# Altium PCB STB_LightBoard.PcbDoc (part 12 of 31) (continued)
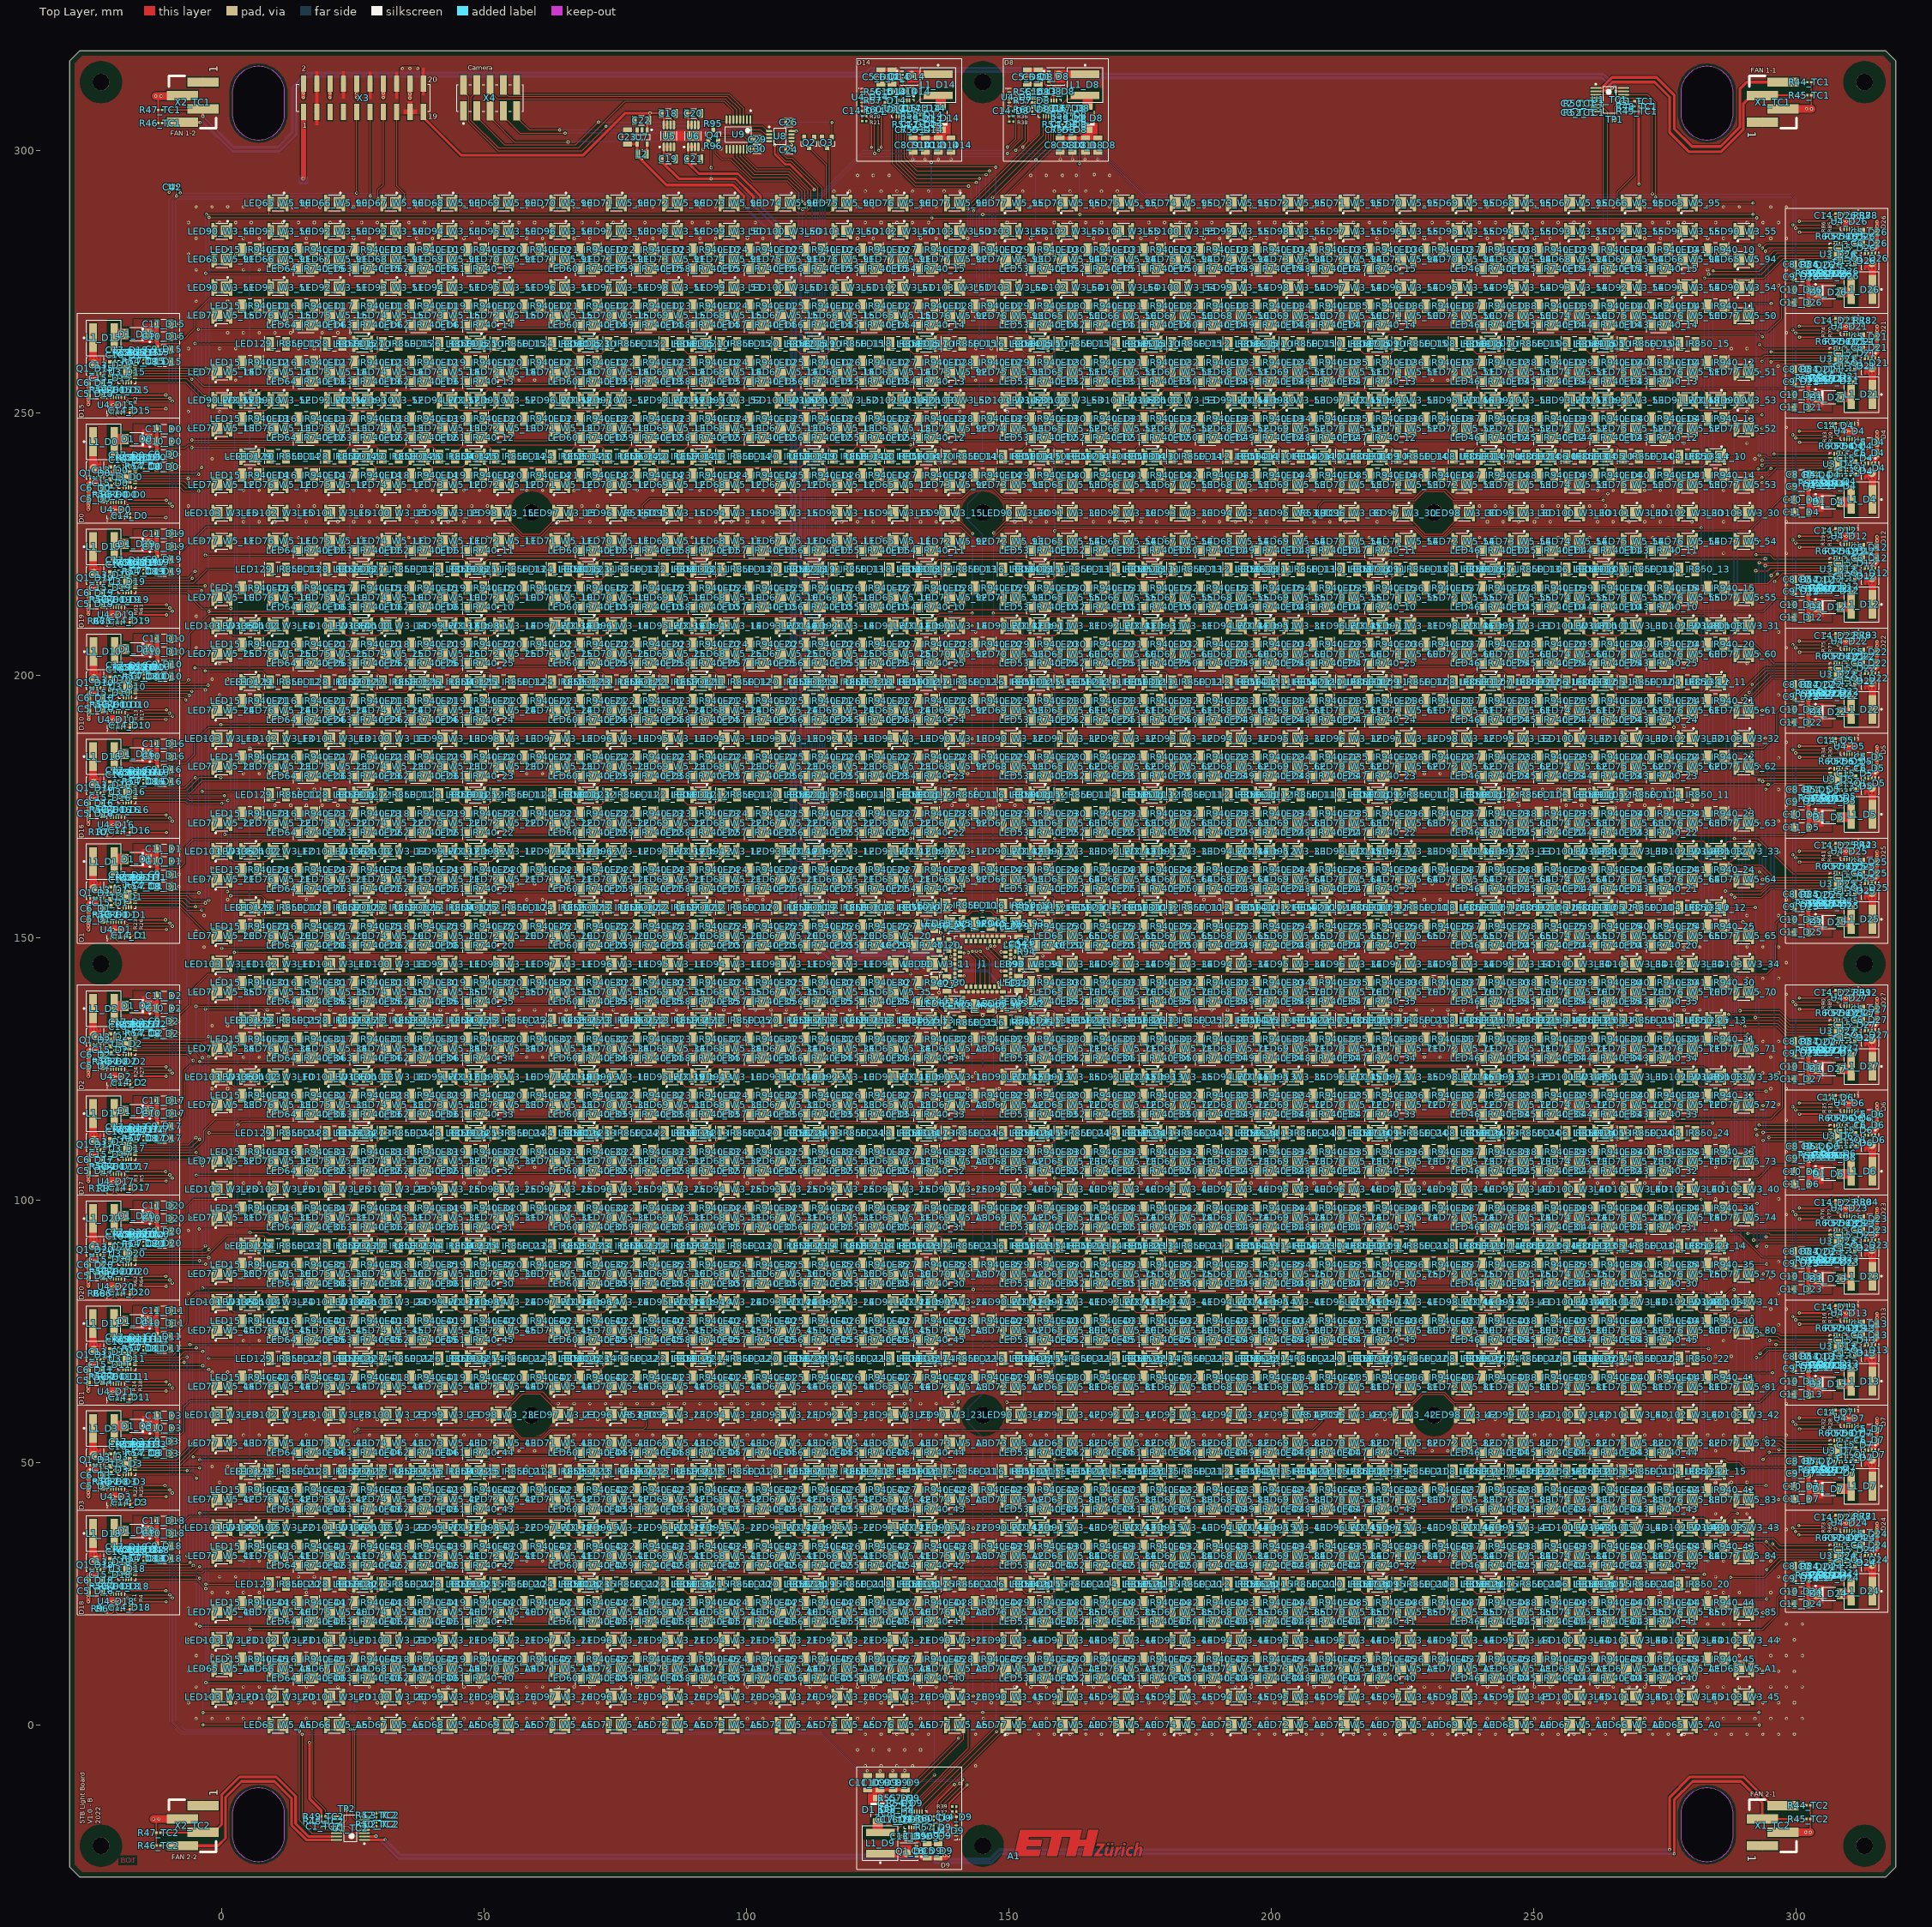
[diagram p0: Top Layer view]
## Part data (continued)
LED78_g_10 LED78_g_11 LED78_g_12 LED78_g_13 LED78_g_14 LED78_g_15 LED79_g_10 LED79_g_11 LED79_g_12 LED79_g_13 LED79_g_14 LED79_g_15 LED80_g_10 LED80_g_11 LED80_g_12 LED80_g_13 LED80_g_14 LED80_g_15 LED81_g_10 LED81_g_11 LED81_g_12 LED81_g_13 LED81_g_14 LED81_g_15 LED82_g_10 LED82_g_11 LED82_g_12 LED82_g_13 LED82_g_14 LED82_g_15 LED83_g_10 LED83_g_11 LED83_g_12 LED83_g_13 LED83_g_14 LED83_g_15 LED84_g_10 LED84_g_11 LED84_g_12 LED84_g_13 LED84_g_14 LED84_g_15 LED85_g_10 LED85_g_11 LED85_g_12 LED85_g_13 LED85_g_14 LED85_g_15 LED86_g_10 LED86_g_11 LED86_g_12 LED86_g_13 LED86_g_14 LED86_g_15 LED87_g_10 LED87_g_11 LED87_g_12 LED87_g_13 LED87_g_14 LED87_g_15 LED88_g_10 LED88_g_11 LED88_g_12 LED88_g_13 LED88_g_14 LED88_g_15 LED89_g_10 LED89_g_11 LED89_g_12 LED89_g_13 LED89_g_14 LED89_g_15: library part CMP-02061-1, "SMD LED Green 3,5 V, 33 lm 3030 (1212)", Color=Green, Manufacturer=Nichia, Intensity="33 lm", Manufacturer Part Number=NE2G757GT, Optoelectronic Device Type="SINGLE COLOR LED", REACH SVHC="No SVHC", RoHS Compliant=Yes, Vf="3.5 V"
LED90_W3_10 LED90_W3_11 LED90_W3_12 LED90_W3_13 LED90_W3_14 LED90_W3_15 LED90_W3_20 LED90_W3_21 LED90_W3_22 LED90_W3_23 LED90_W3_24 LED90_W3_25 LED90_W3_30 LED90_W3_31 LED90_W3_32 LED90_W3_33 LED90_W3_34 LED90_W3_35 LED90_W3_40 LED90_W3_41 LED90_W3_42 LED90_W3_43 LED90_W3_44 LED90_W3_45 LED90_W3_50 LED90_W3_51 LED90_W3_52 LED90_W3_53 LED90_W3_54 LED90_W3_55 LED91_W3_10 LED91_W3_11 LED91_W3_12 LED91_W3_13 LED91_W3_14 LED91_W3_15 LED91_W3_20 LED91_W3_21 LED91_W3_22 LED91_W3_23 LED91_W3_24 LED91_W3_25 LED91_W3_30 LED91_W3_31 LED91_W3_32 LED91_W3_33 LED91_W3_34 LED91_W3_35 LED91_W3_40 LED91_W3_41 LED91_W3_42 LED91_W3_43 LED91_W3_44 LED91_W3_45 LED91_W3_50 LED91_W3_51 LED91_W3_52 LED91_W3_53 LED91_W3_54 LED91_W3_55 LED92_W3_10 LED92_W3_11 LED92_W3_12 LED92_W3_13 LED92_W3_14 LED92_W3_15 LED92_W3_20 LED92_W3_21 LED92_W3_22 LED92_W3_23 LED92_W3_24 LED92_W3_25 LED92_W3_30 LED92_W3_31 LED92_W3_32 LED92_W3_33 LED92_W3_34 LED92_W3_35 LED92_W3_40 LED92_W3_41 LED92_W3_42 LED92_W3_43 LED92_W3_44 LED92_W3_45 LED92_W3_50 LED92_W3_51 LED92_W3_52 LED92_W3_53 LED92_W3_54 LED92_W3_55 LED93_W3_10 LED93_W3_11 LED93_W3_12 LED93_W3_13 LED93_W3_14 LED93_W3_15 LED93_W3_20 LED93_W3_21 LED93_W3_22 LED93_W3_23 LED93_W3_24 LED93_W3_25 LED93_W3_30 LED93_W3_31 LED93_W3_32 LED93_W3_33 LED93_W3_34 LED93_W3_35 LED93_W3_40 LED93_W3_41 LED93_W3_42 LED93_W3_43 LED93_W3_44 LED93_W3_45 LED93_W3_50 LED93_W3_51 LED93_W3_52 LED93_W3_53 LED93_W3_54 LED93_W3_55 LED94_W3_10 LED94_W3_11 LED94_W3_12 LED94_W3_13 LED94_W3_14 LED94_W3_15 LED94_W3_20 LED94_W3_21 LED94_W3_22 LED94_W3_23 LED94_W3_24 LED94_W3_25 LED94_W3_30 LED94_W3_31 LED94_W3_32 LED94_W3_33 LED94_W3_34 LED94_W3_35 LED94_W3_40 LED94_W3_41 LED94_W3_42 LED94_W3_43 LED94_W3_44 LED94_W3_45 LED94_W3_50 LED94_W3_51 LED94_W3_52 LED94_W3_53 LED94_W3_54 LED94_W3_55 LED95_W3_10 LED95_W3_11 LED95_W3_12 LED95_W3_13 LED95_W3_14 LED95_W3_15 LED95_W3_20 LED95_W3_21 LED95_W3_22 LED95_W3_23 LED95_W3_24 LED95_W3_25 LED95_W3_30 LED95_W3_31 LED95_W3_32 LED95_W3_33 LED95_W3_34 LED95_W3_35 LED95_W3_40 LED95_W3_41 LED95_W3_42 LED95_W3_43 LED95_W3_44 LED95_W3_45 LED95_W3_50 LED95_W3_51 LED95_W3_52 LED95_W3_53 LED95_W3_54 LED95_W3_55 LED96_W3_10 LED96_W3_11 LED96_W3_12 LED96_W3_13 LED96_W3_14 LED96_W3_15 LED96_W3_20 LED96_W3_21 LED96_W3_22 LED96_W3_23 LED96_W3_24 LED96_W3_25 LED96_W3_30 LED96_W3_31 LED96_W3_32 LED96_W3_33 LED96_W3_34 LED96_W3_35 LED96_W3_40 LED96_W3_41 LED96_W3_42 LED96_W3_43 LED96_W3_44 LED96_W3_45 LED96_W3_50 LED96_W3_51 LED96_W3_52 LED96_W3_53 LED96_W3_54 LED96_W3_55 LED97_W3_10 LED97_W3_11 LED97_W3_12 LED97_W3_13 LED97_W3_14 LED97_W3_15 LED97_W3_20 LED97_W3_21 LED97_W3_22 LED97_W3_23 LED97_W3_24 LED97_W3_25 LED97_W3_30 LED97_W3_31 LED97_W3_32 LED97_W3_33 LED97_W3_34 LED97_W3_35 LED97_W3_40 LED97_W3_41 LED97_W3_42 LED97_W3_43 LED97_W3_44 LED97_W3_45 LED97_W3_50 LED97_W3_51 LED97_W3_52 LED97_W3_53 LED97_W3_54 LED97_W3_55 LED98_W3_10 LED98_W3_11 LED98_W3_12 LED98_W3_13 LED98_W3_14 LED98_W3_15 LED98_W3_20 LED98_W3_21 LED98_W3_22 LED98_W3_23 LED98_W3_24 LED98_W3_25 LED98_W3_30 LED98_W3_31 LED98_W3_32 LED98_W3_33 LED98_W3_34 LED98_W3_35 LED98_W3_40 LED98_W3_41 LED98_W3_42 LED98_W3_43 LED98_W3_44 LED98_W3_45 LED98_W3_50 LED98_W3_51 LED98_W3_52 LED98_W3_53 LED98_W3_54 LED98_W3_55 LED99_W3_10 LED99_W3_11 LED99_W3_12 LED99_W3_13 LED99_W3_14 LED99_W3_15 LED99_W3_20 LED99_W3_21 LED99_W3_22 LED99_W3_23 LED99_W3_24 LED99_W3_25 LED99_W3_30 LED99_W3_31 LED99_W3_32 LED99_W3_33 LED99_W3_34 LED99_W3_35 LED99_W3_40 LED99_W3_41 LED99_W3_42 LED99_W3_43 LED99_W3_44 LED99_W3_45 LED99_W3_50 LED99_W3_51 LED99_W3_52 LED99_W3_53 LED99_W3_54 LED99_W3_55 LED100_W3_10 LED100_W3_11 LED100_W3_12 LED100_W3_13 LED100_W3_14 LED100_W3_15 LED100_W3_20 LED100_W3_21 LED100_W3_22 LED100_W3_23 LED100_W3_24 LED100_W3_25 LED100_W3_30 LED100_W3_31 LED100_W3_32 LED100_W3_33 LED100_W3_34 LED100_W3_35 LED100_W3_40 LED100_W3_41 LED100_W3_42 LED100_W3_43 LED100_W3_44 LED100_W3_45 LED100_W3_50 LED100_W3_51 LED100_W3_52 LED100_W3_53 LED100_W3_54 LED100_W3_55 LED101_W3_10 LED101_W3_11 LED101_W3_12 LED101_W3_13 LED101_W3_14 LED101_W3_15 LED101_W3_20 LED101_W3_21 LED101_W3_22 LED101_W3_23 LED101_W3_24 LED101_W3_25 LED101_W3_30 LED101_W3_31 LED101_W3_32 LED101_W3_33 LED101_W3_34 LED101_W3_35 LED101_W3_40 LED101_W3_41 LED101_W3_42 LED101_W3_43 LED101_W3_44 LED101_W3_45 LED101_W3_50 LED101_W3_51 LED101_W3_52 LED101_W3_53 LED101_W3_54 LED101_W3_55 LED102_W3_10 LED102_W3_11 LED102_W3_12 LED102_W3_13 LED102_W3_14 LED102_W3_15 LED102_W3_20 LED102_W3_21 LED102_W3_22 LED102_W3_23 LED102_W3_24 LED102_W3_25 LED102_W3_30 LED102_W3_31 LED102_W3_32 LED102_W3_33 LED102_W3_34 LED102_W3_35 LED102_W3_40 LED102_W3_41 LED102_W3_42 LED102_W3_43 LED102_W3_44 LED102_W3_45 LED102_W3_50 LED102_W3_51 LED102_W3_52 LED102_W3_53 LED102_W3_54 LED102_W3_55 LED103_W3_10 LED103_W3_11 LED103_W3_12 LED103_W3_13 LED103_W3_14 LED103_W3_15 LED103_W3_20 LED103_W3_21 LED103_W3_22 LED103_W3_23 LED103_W3_24 LED103_W3_25 LED103_W3_30 LED103_W3_31 LED103_W3_32 LED103_W3_33 LED103_W3_34 LED103_W3_35 LED103_W3_40 LED103_W3_41 LED103_W3_42 LED103_W3_43 LED103_W3_44 LED103_W3_45 LED103_W3_50 LED103_W3_51 LED103_W3_52 LED103_W3_53 LED103_W3_54 LED103_W3_55: library part CMP-02059-1, "SMD LED White 2,76 V, 31,2 lm 3030 (1212)", Color=White, Manufacturer=Nichia, Manufacturer Part Number="NF2L757GT-F1 Optisolis", Intensity="31.2 lm", Optoelectronic Device Type="SINGLE COLOR LED", REACH SVHC="No SVHC", RoHS Compliant=Yes, Vf="2.76 V"
LED104_IR850_10 LED104_IR850_11 LED104_IR850_12 LED104_IR850_13 LED104_IR850_14 LED104_IR850_15 LED104_IR850_20 LED104_IR850_21 LED104_IR850_22 LED104_IR850_23 LED104_IR850_24 LED104_IR850_25 LED105_IR850_10 LED105_IR850_11 LED105_IR850_12 LED105_IR850_13 LED105_IR850_14 LED105_IR850_15 LED105_IR850_20 LED105_IR850_21 LED105_IR850_22 LED105_IR850_23 LED105_IR850_24 LED105_IR850_25 LED106_IR850_10 LED106_IR850_11 LED106_IR850_12 LED106_IR850_13 LED106_IR850_14 LED106_IR850_15 LED106_IR850_20 LED106_IR850_21 LED106_IR850_22 LED106_IR850_23 LED106_IR850_24 LED106_IR850_25 LED107_IR850_10 LED107_IR850_11 LED107_IR850_12 LED107_IR850_13 LED107_IR850_14 LED107_IR850_15 LED107_IR850_20 LED107_IR850_21 LED107_IR850_22 LED107_IR850_23 LED107_IR850_24 LED107_IR850_25 LED108_IR850_10 LED108_IR850_11 LED108_IR850_12 LED108_IR850_13 LED108_IR850_14 LED108_IR850_15 LED108_IR850_20 LED108_IR850_21 LED108_IR850_22 LED108_IR850_23 LED108_IR850_24 LED108_IR850_25 LED109_IR850_10 LED109_IR850_11 LED109_IR850_12 LED109_IR850_13 LED109_IR850_14 LED109_IR850_15 LED109_IR850_20 LED109_IR850_21 LED109_IR850_22 LED109_IR850_23 LED109_IR850_24 LED109_IR850_25 LED110_IR850_10 LED110_IR850_11 LED110_IR850_12 LED110_IR850_13 LED110_IR850_14 LED110_IR850_15 LED110_IR850_20 LED110_IR850_21 LED110_IR850_22 LED110_IR850_23 LED110_IR850_24 LED110_IR850_25 LED111_IR850_10 LED111_IR850_11 LED111_IR850_12 LED111_IR850_13 LED111_IR850_14 LED111_IR850_15 LED111_IR850_20 LED111_IR850_21 LED111_IR850_22 LED111_IR850_23 LED111_IR850_24 LED111_IR850_25 LED112_IR850_10 LED112_IR850_11 LED112_IR850_12 LED112_IR850_13 LED112_IR850_14 LED112_IR850_15 LED112_IR850_20 LED112_IR850_21 LED112_IR850_22 LED112_IR850_23 LED112_IR850_24 LED112_IR850_25 LED113_IR850_10 LED113_IR850_11 LED113_IR850_12 LED113_IR850_13 LED113_IR850_14 LED113_IR850_15 LED113_IR850_20 LED113_IR850_21 LED113_IR850_22 LED113_IR850_23 LED113_IR850_24 LED113_IR850_25 LED114_IR850_10 LED114_IR850_11 LED114_IR850_12 LED114_IR850_13 LED114_IR850_14 LED114_IR850_15 LED114_IR850_20 LED114_IR850_21 LED114_IR850_22 LED114_IR850_23 LED114_IR850_24 LED114_IR850_25 LED115_IR850_10 LED115_IR850_11 LED115_IR850_12 LED115_IR850_13 LED115_IR850_14 LED115_IR850_15 LED115_IR850_20 LED115_IR850_21 LED115_IR850_22 LED115_IR850_23 LED115_IR850_24 LED115_IR850_25 LED116_IR850_10 LED116_IR850_11 LED116_IR850_12 LED116_IR850_13 LED116_IR850_14 LED116_IR850_15 LED116_IR850_20 LED116_IR850_21 LED116_IR850_22 LED116_IR850_23 LED116_IR850_24 LED116_IR850_25 LED117_IR850_10 LED117_IR850_11 LED117_IR850_12 LED117_IR850_13 LED117_IR850_14 LED117_IR850_15 LED117_IR850_20 LED117_IR850_21 LED117_IR850_22 LED117_IR850_23 LED117_IR850_24 LED117_IR850_25 LED118_IR850_10 LED118_IR850_11 LED118_IR850_12 LED118_IR850_13 LED118_IR850_14 LED118_IR850_15 LED118_IR850_20 LED118_IR850_21 LED118_IR850_22 LED118_IR850_23 LED118_IR850_24 LED118_IR850_25 LED119_IR850_10 LED119_IR850_11 LED119_IR850_12 LED119_IR850_13 LED119_IR850_14 LED119_IR850_15 LED119_IR850_20 LED119_IR850_21 LED119_IR850_22 LED119_IR850_23 LED119_IR850_24 LED119_IR850_25 LED120_IR850_10 LED120_IR850_11 LED120_IR850_12 LED120_IR850_13 LED120_IR850_14 LED120_IR850_15 LED120_IR850_20 LED120_IR850_21 LED120_IR850_22 LED120_IR850_23 LED120_IR850_24 LED120_IR850_25 LED121_IR850_10 LED121_IR850_11 LED121_IR850_12 LED121_IR850_13 LED121_IR850_14 LED121_IR850_15 LED121_IR850_20 LED121_IR850_21 LED121_IR850_22 LED121_IR850_23 LED121_IR850_24 LED121_IR850_25 LED122_IR850_10 LED122_IR850_11 LED122_IR850_12 LED122_IR850_13 LED122_IR850_14 LED122_IR850_15 LED122_IR850_20 LED122_IR850_21 LED122_IR850_22 LED122_IR850_23 LED122_IR850_24 LED122_IR850_25 LED123_IR850_10 LED123_IR850_11 LED123_IR850_12 LED123_IR850_13 LED123_IR850_14 LED123_IR850_15 LED123_IR850_20 LED123_IR850_21 LED123_IR850_22 LED123_IR850_23 LED123_IR850_24 LED123_IR850_25 LED124_IR850_10 LED124_IR850_11 LED124_IR850_12 LED124_IR850_13 LED124_IR850_14 LED124_IR850_15 LED124_IR850_20 LED124_IR850_21 LED124_IR850_22 LED124_IR850_23 LED124_IR850_24 LED124_IR850_25 LED125_IR850_10 LED125_IR850_11 LED125_IR850_12 LED125_IR850_13 LED125_IR850_14 LED125_IR850_15 LED125_IR850_20 LED125_IR850_21 LED125_IR850_22 LED125_IR850_23 LED125_IR850_24 LED125_IR850_25 LED126_IR850_10 LED126_IR850_11 LED126_IR850_12 LED126_IR850_13 LED126_IR850_14 LED126_IR850_15 LED126_IR850_20 LED126_IR850_21 LED126_IR850_22 LED126_IR850_23 LED126_IR850_24 LED126_IR850_25 LED127_IR850_10 LED127_IR850_11 LED127_IR850_12 LED127_IR850_13 LED127_IR850_14 LED127_IR850_15 LED127_IR850_20 LED127_IR850_21 LED127_IR850_22 LED127_IR850_23 LED127_IR850_24 LED127_IR850_25 LED128_IR850_10 LED128_IR850_11 LED128_IR850_12 LED128_IR850_13 LED128_IR850_14 LED128_IR850_15 LED128_IR850_20 LED128_IR850_21 LED128_IR850_22 LED128_IR850_23 LED128_IR850_24 LED128_IR850_25 LED129_IR850_10 LED129_IR850_11 LED129_IR850_12 LED129_IR850_13 LED129_IR850_14 LED129_IR850_15 LED129_IR850_20 LED129_IR850_21 LED129_IR850_22 LED129_IR850_23 LED129_IR850_24 LED129_IR850_25: library part CMP-02056-1, "Infrared (IR) Emitter 850nm 1.5V 70mA 14.4mW/sr @ 70mA (Typ) 120° 2-PLCC", Current - DC Forward (If) (Max)=70mA, Manufacturer=Broadcom, Mfr="Broadcom Limited", Operating Temperature="-40°C ~ 100°C", Package / Case=2-PLCC, Supplier Part Number 1=516-AREM-80C0-LM000DKR-ND, Voltage - Forward (Vf) (Typ)=1.5V, Base Product Number=AREM, Manufacturer Part Number=AREM-80C0-LM000, Mounting Type="Surface Mount", Orientation="Top View", Pricing 1="1=0.62000, 10=0.40500, 100=0.26800, 1000=0.20689 (USD)", Radiant Intensity (Ie) Min @ If="14.4mW/sr @ 70mA (Typ)", RoHS=No, Series=AREM-80C0-xx000, Stock 1=49823, Supplier 1=Digi-Key, Type="Infrared (IR)", Viewing Angle=120°, Wavelength=850nm
LED135_b_10 LED135_b_11 LED135_b_12 LED135_b_13 LED135_b_14 LED135_b_15 LED136_b_10 LED136_b_11 LED136_b_12 LED136_b_13 LED136_b_14 LED136_b_15 LED137_b_10 LED137_b_11 LED137_b_12 LED137_b_13 LED137_b_14 LED137_b_15 LED138_b_10 LED138_b_11 LED138_b_12 LED138_b_13 LED138_b_14 LED138_b_15 LED139_b_10 LED139_b_11 LED139_b_12 LED139_b_13 LED139_b_14 LED139_b_15 LED140_b_10 LED140_b_11 LED140_b_12 LED140_b_13 LED140_b_14 LED140_b_15 LED141_b_10 LED141_b_11 LED141_b_12 LED141_b_13 LED141_b_14 LED141_b_15 LED142_b_10 LED142_b_11 LED142_b_12 LED142_b_13 LED142_b_14 LED142_b_15 LED143_b_10 LED143_b_11 LED143_b_12 LED143_b_13 LED143_b_14 LED143_b_15 LED144_b_10 LED144_b_11 LED144_b_12 LED144_b_13 LED144_b_14 LED144_b_15 LED145_b_10 LED145_b_11 LED145_b_12 LED145_b_13 LED145_b_14 LED145_b_15 LED146_b_10 LED146_b_11 LED146_b_12 LED146_b_13 LED146_b_14 LED146_b_15 LED147_b_10 LED147_b_11 LED147_b_12 LED147_b_13 LED147_b_14 LED147_b_15 LED148_b_10 LED148_b_11 LED148_b_12 LED148_b_13 LED148_b_14 LED148_b_15: library part CMP-02060-1, "SMD LED White 2,9 V, 8,7 lm 3030 (1212)", Color=Blue, Manufacturer=Nichia, Intensity="8.7 lm", Manufacturer Part Number=NE2B757GT, Optoelectronic Device Type="SINGLE COLOR LED", REACH SVHC="No SVHC", RoHS Compliant=Yes, Vf="2.9 V"
Q1_D0 Q1_D1 Q1_D2 Q1_D3 Q1_D4 Q1_D5 Q1_D6 Q1_D7 Q1_D8 Q1_D9 Q1_D10 Q1_D11 Q1_D12 Q1_D13 Q1_D14 Q1_D15 Q1_D16 Q1_D17 Q1_D18 Q1_D19 Q1_D20 Q1_D21 Q1_D22 Q1_D23 Q1_D24 Q1_D25 Q1_D26 Q1_D27: library part CMP-07173-000045-1, "MOSFET P-CH 30V 8.5A POWER33", Continuous Drain Current=-8.5A, Drain to Source Breakdown Voltage=-30V, Drain to Source Resistance=14mΩ, Gate To Source Voltage=25V, Input Capacitace At Vds="1535pF @ -15V", Manufacturer="ON Semiconductor", Max Forward Diode Voltage=1.5V, Max Junction Temp=+150°C, Package=511DQ, Power Dissipation=2.3W, Pulse Drain Current=-50A, Temperature="-55°C to +150°C", Temperature Range Low=-55°C, Typ Forward Diode Voltage=0.86V, Automotive=No, Category=Trans, ComponentLink2Description=Datasheet, ComponentLink2URL=https://www.onsemi.com/pub/Collateral/FDMC4435BZ-D.PDF, Depletion Mode=False, Device Class L1="Discrete Semiconductors", Device Class L2=Transistors, Device Class L3=MOSFETs, Digikey Description="MOSFET P-CH 30V 8.5A POWER33", Drain To Source Voltage=-30V, Footprint Url=https://www.onsemi.com/pub/Collateral/511DQ.PDF, Gate Charge At Vgs="38nC @ -10V", Height=0.8mm, Lead Free=Yes, Manufacturer Part Number=FDMC4435BZ, Mouser Description="MOSFET -30V P-Channel PowerTrench", Number of Channels=1, Number Of P Channels=1, Octopart=https://octopart.com/fdmc4435bz-on+semiconductor-84326033, Reverse Recovery Charge=12nC, Reverse Recovery Time=26ns, RoHS=TRUE, Rthja Max=53°C/W, Standoff Height=0mm, Temperature Range High=+150°C, Threshold Vgs Max=-3V, Threshold Vgs Min=-1V, Transconductance=25S, Turn Off Delay Time=35ns, Turn On Delay Time=10ns
Q2 Q3 Q4: library part CMP-2000-04929-2, "MOSFET N-CH 60V 115MA SOT23-3", Case/Package=SOT-23, Continuous Drain Current (ID)=115mA, Drain to Source Breakdown Voltage=70V, Drain to Source Resistance=7.5R, Drain to Source Voltage (Vdss)=60V, Drain-source On Resistance-Max=13.5R, Gate to Source Voltage (Vgs)=20V, Input Capacitance=50pF, Manufacturer=Diodes, Max Operating Temperature=150°C, Max Power Dissipation=300mW, Min Operating Temperature=-55°C, Operating Mode="ENHANCEMENT MODE", Package Body Material=Plastic, Package Quantity=3000, Package Shape=Rectangular, Package Style="SMALL OUTLINEMeter", Peak Reflow Temperature (Cel)=260°C, Power Dissipation=540mW, Supplier Part Number 1=2N7002-FDIDKR-ND, Threshold Voltage=2.5V, Time @ Peak Reflow Temperature-Max (s)=40s, Category=MOSFETs, ComponentLink1Description=https://datasheet.ciiva.com:443/pdfs/VipMasterIC/IC/DIOD/DIOD-S-A0009689736/DIOD-S-A0009691859-1.pdf?src-supplier=IHS+Markit, ComponentLink1URL=https://datasheet.ciiva.com:443/pdfs/VipMasterIC/IC/DIOD/DIOD-S-A0009689736/DIOD-S-A0009691859-1.pdf?src-supplier=IHS+Markit, Contact Plating=Tin, Current Rating=115mA, Drain Current-Max (Abs) (ID)=115mA, Drain Current-Max (ID)=115mA, DS Breakdown Voltage-Min=60V, Dual Supply Voltage=60V, Element Configuration=Single, Fall Time=5.6ns, Feedback Cap-Max (Crss)=5pF, FET Technology="METAL-OXIDE SEMICONDUCTOR", Height=1mm, JESD-30 Code=R-PDSO-G3, JESD-609 Code=e3, Lead Free="Lead Free", Length=2.9mm, Manufacturer Part Number=2N7002-7-F, Moisture Sensitivity Level=1, Mount="Surface Mount", Nominal Vgs=2.5V, Number of Channels=1, Number of Elements=1, Number of Pins=3, On-State Resistance=7.5R, Packaging="Tape and Reel", Polarity/Channel Type=N-CHANNEL, Power Dissipation-Max (Abs)=300mW, Pricing 1="1=0.21000, 10=0.19500, 100=0.10620, 500=0.06534, 1000=0.04455 (USD)", Qualification Status="Not Qualified", Radiation Hardening=No, Rds On Max=7.5R, REACH SVHC="No SVHC", Reach SVHC Compliant=Yes, Rise Time=3ns, RoHS=Yes, RoHS Compliant=Yes, Stock 1=2221303, Supplier 1=Digi-Key, Surface Mount=Yes, Terminal Finish=Tin, Terminal Form="Gull Wing", Terminal Position=DUAL, Termination=SMD/SMT, Transistor Application=SWITCHING, Transistor Element Material=SILICON, Turn-Off Delay Time=11ns, Turn-On Delay Time=7ns, Voltage=60V, Voltage Rating (DC)=60V, Weight=0.000282oz, Width=1.3mm
R1 R3 R6 R7 R8 R16 R21 R23 R24 R42 R65 R66 R77 R78 R79 R80 R87 R91: library part CMP-2002-01120-1, Manufacturer=Panasonic, Manufacturer Part Number=ERJ-2RKF9763X, Max Operating Temperature=155°C, Min Operating Temperature=-55°C, Package Height=0.35mm, Package Length=1mm, Package Shape=Rectangular, Package Style=SMTMeter, Package Width=0.5mm, Rated Power Dissipation (P)=100mW, Rated Temperature=70°C, Resistor Type="FIXED RESISTOR", Supplier Part Number 1=P976KLCT-ND, Temperature Coefficient=100ppm/°C, Tolerance=1%, Working Voltage=50V, Category="Chip SMD Resistors", ComponentLink1Description=https://datasheet.ciiva.com:443/pdfs/VipMasterIC/IC/PANA/PANA-S-A0009889626/PANA-S-A0009889626-1.pdf?src-supplier=IHS+Markit, ComponentLink1URL=https://datasheet.ciiva.com:443/pdfs/VipMasterIC/IC/PANA/PANA-S-A0009889626/PANA-S-A0009889626-1.pdf?src-supplier=IHS+Markit, ComponentLink2Description=https://datasheet.ciiva.com/43467/1678782-43467581.pdf?src-supplier=Farnell, ComponentLink2URL=https://datasheet.ciiva.com/43467/1678782-43467581.pdf?src-supplier=Farnell, ComponentLink3Description=https://datasheet.ciiva.com/46372/1678782-46372911.pdf?src-supplier=Element14, ComponentLink3URL=https://datasheet.ciiva.com/46372/1678782-46372911.pdf?src-supplier=Element14, ComponentLink4Description=https://datasheet.ciiva.com/22668/1678782-22668415.pdf?src-supplier=Element14, ComponentLink4URL=https://datasheet.ciiva.com/22668/1678782-22668415.pdf?src-supplier=Element14, ComponentLink5Description=https://datasheet.ciiva.com/16758/70260748-16758903.pdf?src-supplier=Allied+Electronics, ComponentLink5URL=https://datasheet.ciiva.com/16758/70260748-16758903.pdf?src-supplier=Allied+Electronics, ComponentLink6Description=https://datasheet.ciiva.com/9179/aoa0000ce2-9179357.pdf?src-supplier=Avnet, ComponentLink6URL=https://datasheet.ciiva.com/9179/aoa0000ce2-9179357.pdf?src-supplier=Avnet, ComponentLink7Description=https://datasheet.ciiva.com/30176/aoa0000ce2-30176831.pdf?src-supplier=Onlinecomponents.com, ComponentLink7URL=https://datasheet.ciiva.com/30176/aoa0000ce2-30176831.pdf?src-supplier=Onlinecomponents.com, Construction=Rectangular, JESD-609 Code=e3, Mount="Surface Mount", Number of Pins=2, Packaging="Tape and Reel", Part Number=ERJ-2RKF9763X, Pricing 1="1=0.10000, 10=0.03300, 100=0.01330, 1000=0.00599, 2500=0.00520, 5000=0.00429 (USD)", Reach SVHC Compliant=Yes, Reference Standard=AEC-Q200, RoHS=Yes, RoHS Compliant=Yes, Size Code=0402, Stock 1=136638, Supplier 1=Digi-Key, Technology="METAL GLAZE/THICK FILM", Terminal Finish=Nickel, Termination=Wraparound
R2: library part CMP-1011-00001-2, Manufacturer="Yageo / Phycomp", Manufacturer Part Number=RC0402JR-070RL, Max Operating Temperature=155°C, Min Operating Temperature=-55°C, Package Height=0.35mm, Package Length=1mm, Package Shape=Rectangular, Package Style=SMTMeter, Package Width=0.5mm, Rated Power Dissipation (P)=62.5mW, Rated Temperature=70°C, Resistor Type="FIXED RESISTOR", Supplier Part Number 1=311-0.0JRDKR-ND, Category="Chip SMD Resistors", ComponentLink1Description=https://datasheet.ciiva.com:443/pdfs/VipMasterIC/IC/YAGO/YAGO-S-A0008145938/YAGO-S-A0008145938-1.pdf?src-supplier=IHS+Markit, ComponentLink1URL=https://datasheet.ciiva.com:443/pdfs/VipMasterIC/IC/YAGO/YAGO-S-A0008145938/YAGO-S-A0008145938-1.pdf?src-supplier=IHS+Markit, ComponentLink2Description=https://datasheet.ciiva.com/2452/pyu-rc0402-51-rohs-l-6-2452608.pdf?src-supplier=Digi-Key, ComponentLink2URL=https://datasheet.ciiva.com/2452/pyu-rc0402-51-rohs-l-6-2452608.pdf?src-supplier=Digi-Key, ComponentLink3Description=https://datasheet.ciiva.com/11808/0900766b80c66297-11808195.pdf?src-supplier=RSComponents, ComponentLink3URL=https://datasheet.ciiva.com/11808/0900766b80c66297-11808195.pdf?src-supplier=RSComponents, ComponentLink4Description=https://datasheet.ciiva.com/7983/1018594-7983535.pdf?src-supplier=Element14, ComponentLink4URL=https://datasheet.ciiva.com/7983/1018594-7983535.pdf?src-supplier=Element14, ComponentLink5Description=https://datasheet.ciiva.com/22747/1018594-22747515.pdf?src-supplier=Element14, ComponentLink5URL=https://datasheet.ciiva.com/22747/1018594-22747515.pdf?src-supplier=Element14, ComponentLink6Description=https://datasheet.ciiva.com/2452/pyu-r-int-thick-7-2452609.pdf?src-supplier=Digi-Key, ComponentLink6URL=https://datasheet.ciiva.com/2452/pyu-r-int-thick-7-2452609.pdf?src-supplier=Digi-Key, ComponentLink7Description=https://datasheet.ciiva.com/2452/pyu-r-int-thick-7-2452610.pdf?src-supplier=Digi-Key, ComponentLink7URL=https://datasheet.ciiva.com/2452/pyu-r-int-thick-7-2452610.pdf?src-supplier=Digi-Key, ComponentLink8Description=https://datasheet.ciiva.com/8896/pyu-rc0402-51-rohs-l-6-8896201.pdf?src-supplier=Avnet, ComponentLink8URL=https://datasheet.ciiva.com/8896/pyu-rc0402-51-rohs-l-6-8896201.pdf?src-supplier=Avnet, ComponentLink9Description=https://datasheet.ciiva.com/15189/getdatasheetpartid-326379-15189533.pdf?src-supplier=Verical, ComponentLink9URL=https://datasheet.ciiva.com/15189/getdatasheetpartid-326379-15189533.pdf?src-supplier=Verical, Construction=Chip, JESD-609 Code=e3, Mount="Surface Mount", Number of Pins=2, Packaging="Tape and Reel", Part Number=RC0402JR-070RL, Pricing 1="1=0.10000, 10=0.01200, 25=0.00840, 50=0.00640, 100=0.00480, 250=0.00364, 500=0.00290, 1000=0.00214, 5000=0.00154 (USD)", REACH SVHC=Yes, Resistance=0R, RoHS=Yes, RoHS Compliant=Yes, Size Code=0402, Stock 1=41330354, Supplier 1=Digi-Key, Technology="METAL GLAZE/THICK FILM", Terminal Finish=Nickel, Termination=Wraparound